# KiCad board LED_Matrix_Phone_Case.kicad_pcb
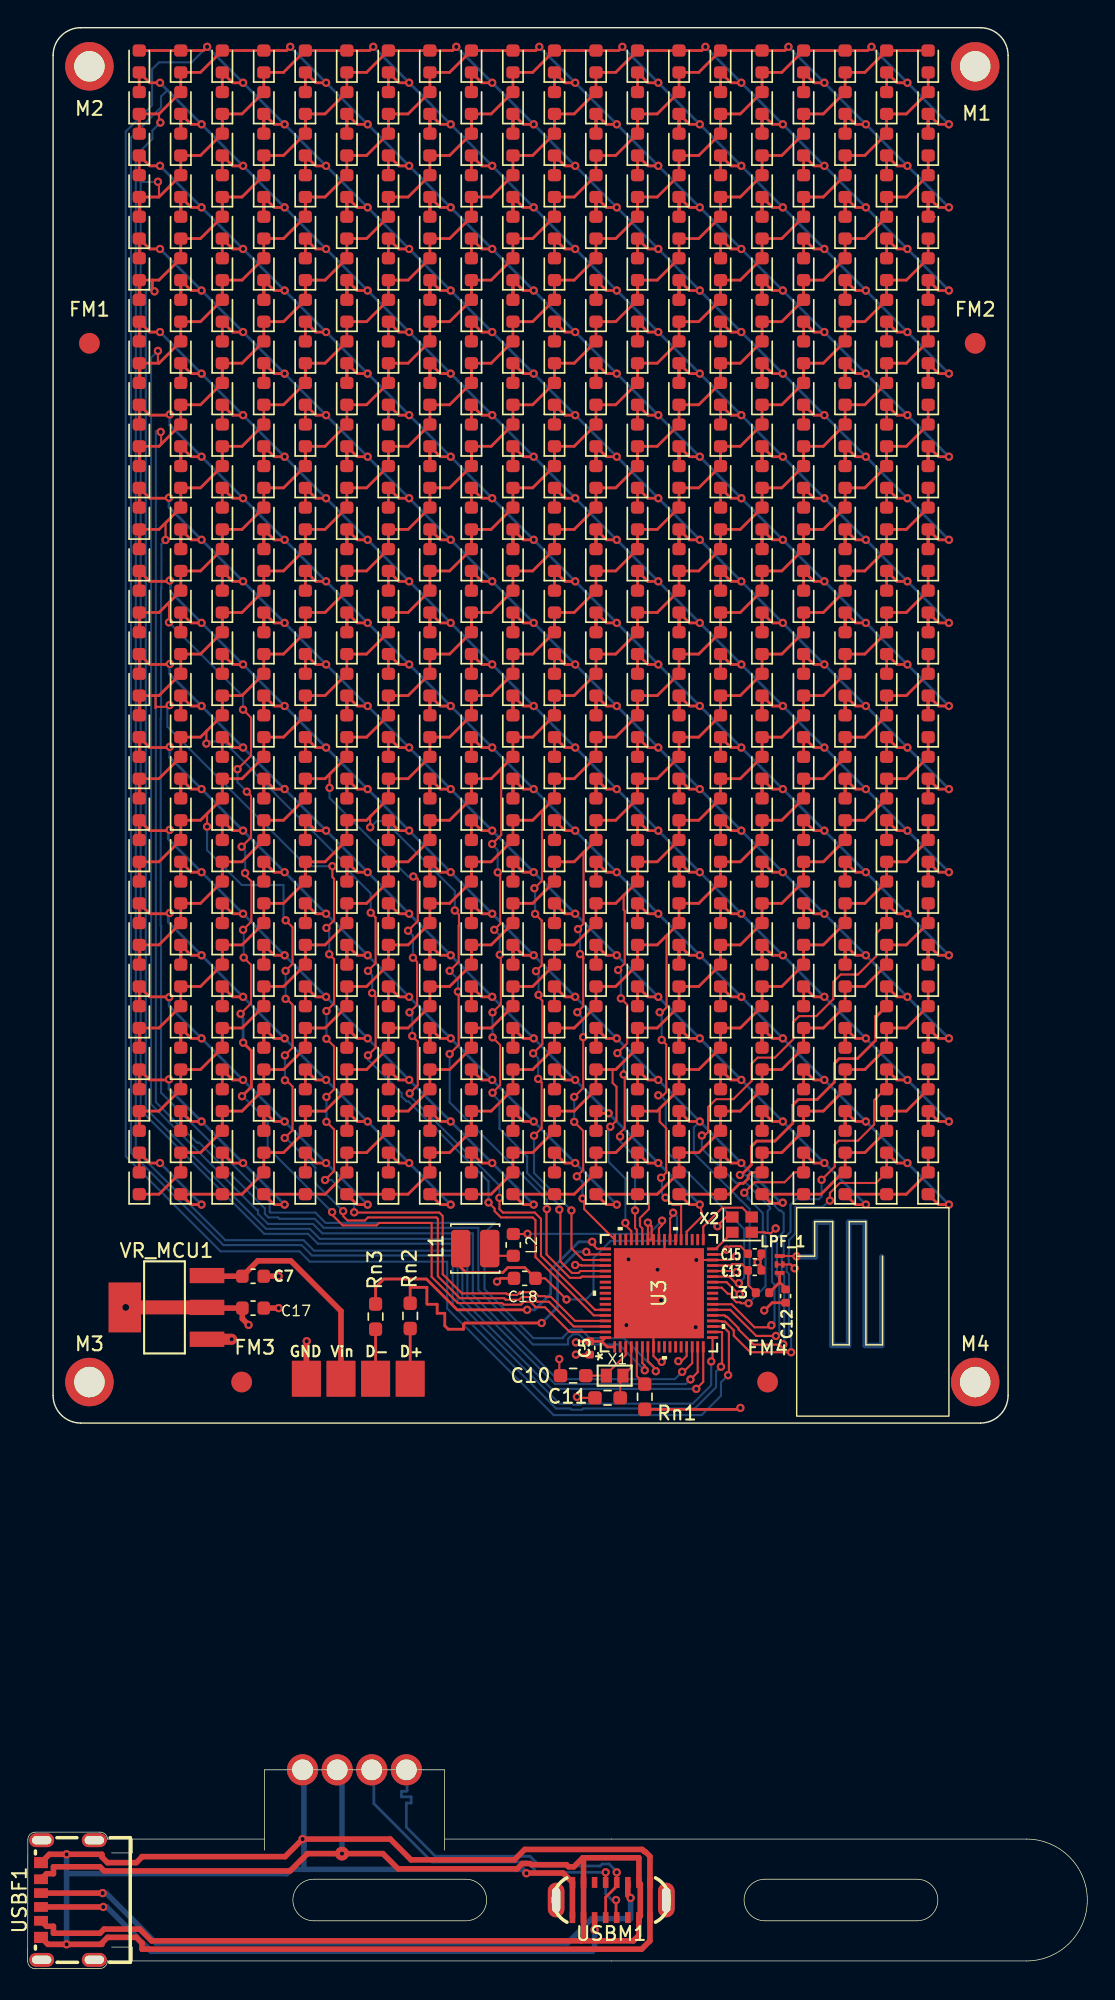
[diagram p0: board, top side]
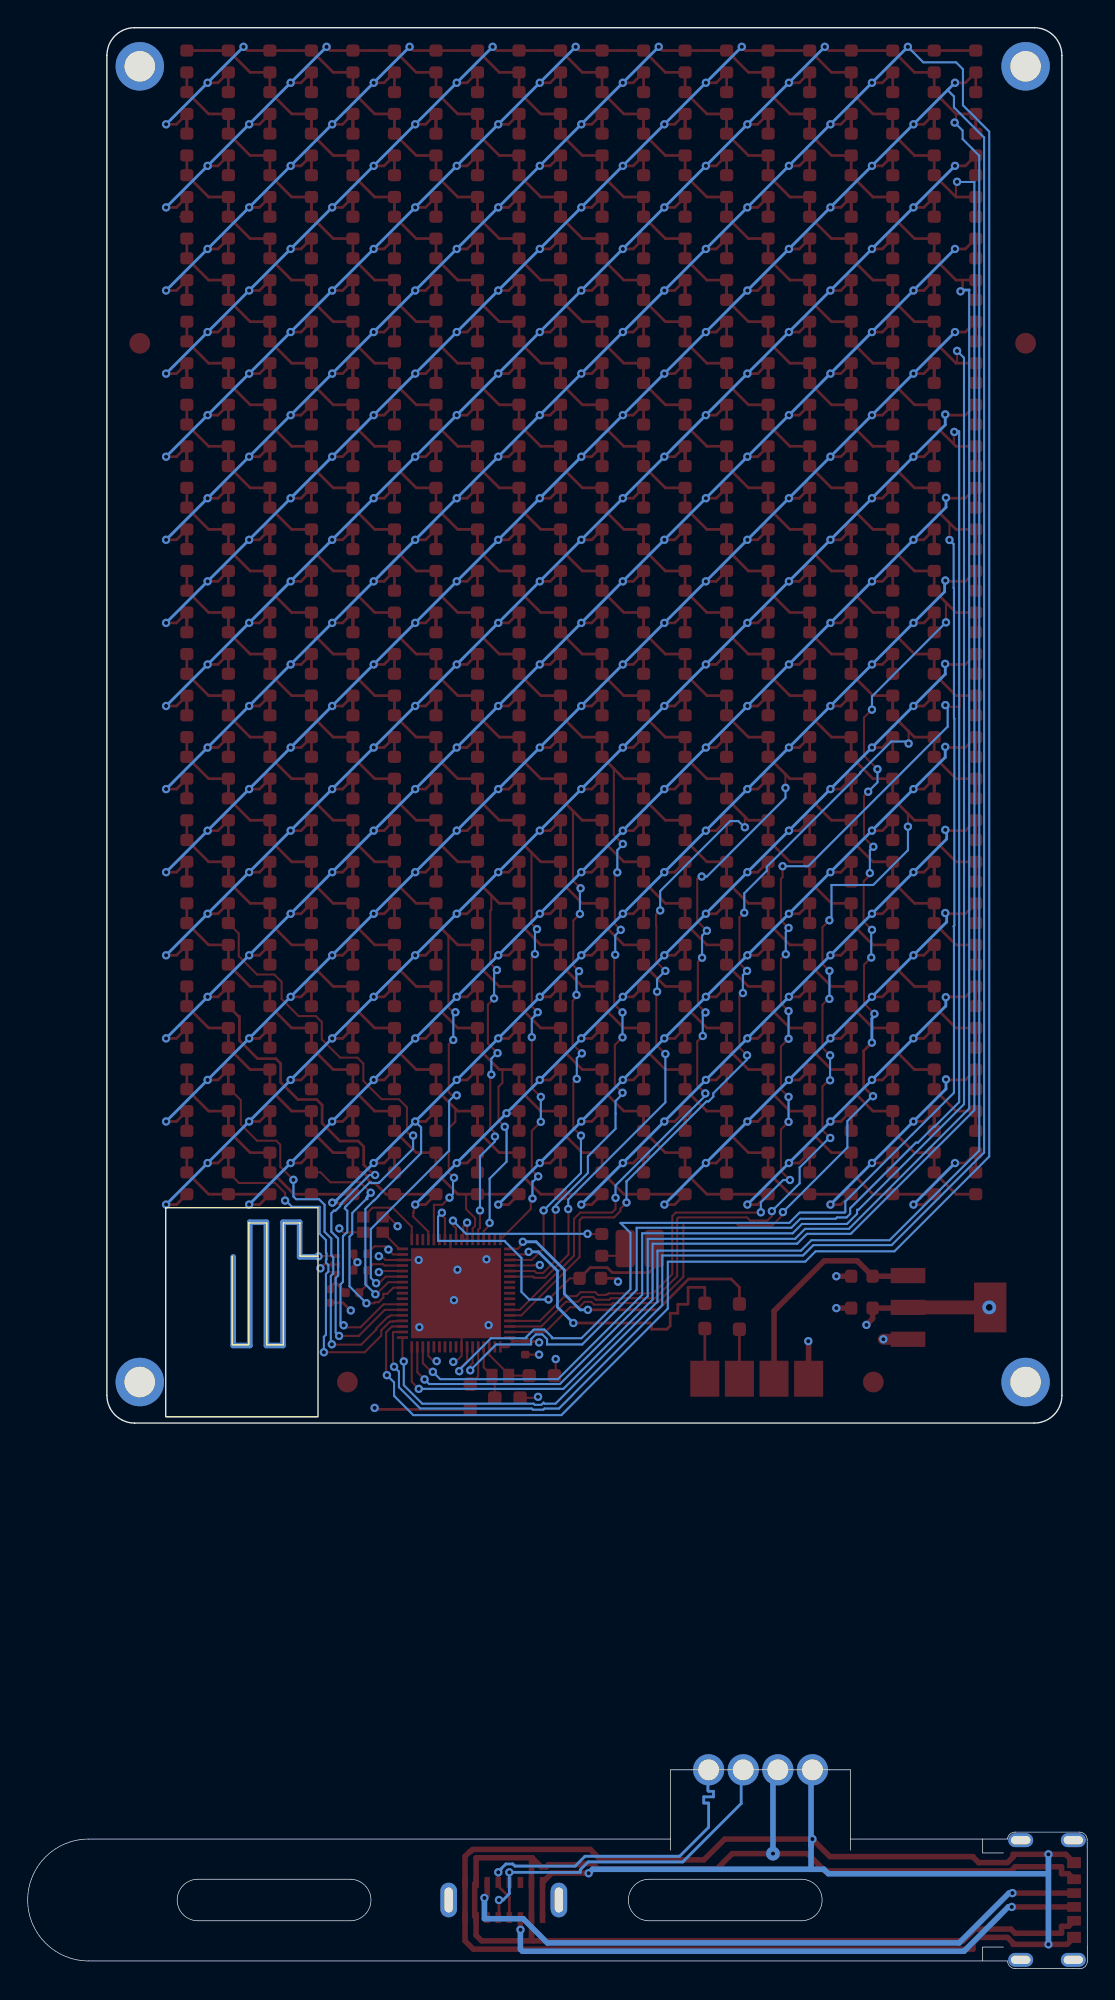
[diagram p1: board, bottom side, seen from below]

Outline 76.56 x 140.15 mm; copper layers: Top, In1.Cu, In2.Cu, Bottom. Coordinates in mm from the lower left corner of the outline.
Outline path: 5.77,9.36 arc(5.59,9.72) 5.22,9.86 0.56,9.86 arc(0.17,9.7) 0.01,9.31 0,0.55 arc(0.16,0.16) 0.55,0 1.01,0.01 5.21,0.01 arc(5.6,0.17) 5.76,0.56 72.16,0.56 arc(76.56,4.96) 72.16,9.36 30.11,9.36 ; 5.76,9.36 7.56,9.36 ; 7.56,9.36 7.56,8.36 6.06,8.36 ; 7.56,9.36 17.11,9.36 ; 17.11,9.36 17.11,14.36 18.61,14.36 ; 17.11,9.36 17.11,8.56 ; 6.06,1.56 7.56,1.56 7.56,0.56 ; 28.61,14.36 30.11,14.36 30.11,9.36 ; 30.11,9.36 30.11,8.56 ; 1.84,138.15 arc(2.42,139.56) 3.84,140.15 68.84,140.15 arc(70.25,139.56) 70.84,138.15 70.84,41.4 arc(70.25,39.98) 68.84,39.4 3.84,39.4 arc(2.42,39.98) 1.84,41.4 1.84,138.15 ; 20.66,3.46 arc(19.16,4.96) 20.66,6.46 31.66,6.46 arc(33.16,4.96) 31.66,3.46 20.66,3.46 ; 53.26,6.46 64.26,6.46 arc(65.76,4.96) 64.26,3.46 53.26,3.46 arc(51.76,4.96) 53.26,6.46
Stack: Top 0.035mm / dielectric 0.1mm FR4 er 4.5 / In1.Cu 0.035mm / dielectric 1.24mm FR4 er 4.5 / In2.Cu 0.035mm / dielectric 0.1mm FR4 er 4.5 / Bottom 0.035mm

## Placement (name value [footprint] x y rotation side)
C5  100nF  [C_0402_1005Metric]  40.61 44.82 270 top
C7  4.7uF  [C_0603_1608Metric]  16.29 50 0 top
C10  0pF  [R_0603_1608Metric_Pad0.98x0.95mm_HandSolder]  39.41 42.82 180 top
C11  0pF  [R_0603_1608Metric_Pad0.98x0.95mm_HandSolder]  41.9 41.22 180 top
C12  0.3pF  [C_0402_1005Metric]  54.76 48.57 270 top
C13  0.8pF  [C_0402_1005Metric]  52.53 50.42 0 top
C15  100nF  [C_0402_1005Metric]  52.53 51.62 180 top
C17  4.7uF  [C_0603_1608Metric]  16.29 47.7 0 top
C18  4.7uF  [C_0603_1608Metric]  35.91 49.85 180 top
FM1  Fiducial  [Fiducial_1.5mm_Mask3mm]  4.46 117.36 0 top
FM2  Fiducial  [Fiducial_1.5mm_Mask3mm]  68.46 117.36 0 top
FM3  Fiducial  [Fiducial_1.5mm_Mask3mm]  15.46 42.36 0 top
FM4  Fiducial  [Fiducial_1.5mm_Mask3mm]  53.46 42.36 0 top
L1  10uH  [L_Cenker_CKCS3015]  32.34 52 180 top
L2  10nH  [L_0603_1608Metric]  35.09 52.26 270 top
L3  2.7nH  [L_0402_1005Metric]  53.1 48.81 0 top
LPF_1  DLF162500LT-5028A1 - Low Pass Filter  [LowPassFilter_DLF-4_1P6X0P8]  54.33 50.85 90 top
M1  MountingHole_Pad  [MountingHole_2.2mm_M2_ISO7380_Pad_TopBottom]  68.46 137.36 0 top
M2  MountingHole_Pad  [MountingHole_2.2mm_M2_ISO7380_Pad_TopBottom]  4.46 137.36 0 top
M3  MountingHole_Pad  [MountingHole_2.2mm_M2_ISO7380_Pad_TopBottom]  4.46 42.36 0 top
M4  MountingHole_Pad  [MountingHole_2.2mm_M2_ISO7380_Pad_TopBottom]  68.46 42.36 0 top
REF**  -  [CASTELLATED_HOLES_4X]  23.61 14.36 0 top
REF**1  -  [D_0603_1608Metric]  8.06 134.71 90 top
REF**2  -  [D_0603_1608Metric]  11.06 134.71 90 top
REF**3  -  [D_0603_1608Metric]  8.06 137.71 90 top
REF**4  -  [D_0603_1608Metric]  11.06 137.71 90 top
REF**5  -  [D_0603_1608Metric]  14.06 134.71 90 top
REF**6  -  [D_0603_1608Metric]  17.06 134.71 90 top
REF**7  -  [D_0603_1608Metric]  14.06 137.71 90 top
REF**8  -  [D_0603_1608Metric]  17.06 137.71 90 top
REF**9  -  [D_0603_1608Metric]  20.06 134.71 90 top
REF**10  -  [D_0603_1608Metric]  23.06 134.71 90 top
REF**11  -  [D_0603_1608Metric]  20.06 137.71 90 top
REF**12  -  [D_0603_1608Metric]  23.06 137.71 90 top
REF**13  -  [D_0603_1608Metric]  26.06 134.71 90 top
REF**14  -  [D_0603_1608Metric]  29.06 134.71 90 top
REF**15  -  [D_0603_1608Metric]  26.06 137.71 90 top
REF**16  -  [D_0603_1608Metric]  29.06 137.71 90 top
REF**17  -  [D_0603_1608Metric]  32.06 134.71 90 top
REF**18  -  [D_0603_1608Metric]  35.06 134.71 90 top
REF**19  -  [D_0603_1608Metric]  32.06 137.71 90 top
REF**20  -  [D_0603_1608Metric]  35.06 137.71 90 top
REF**21  -  [D_0603_1608Metric]  38.06 134.71 90 top
REF**22  -  [D_0603_1608Metric]  41.06 134.71 90 top
REF**23  -  [D_0603_1608Metric]  38.06 137.71 90 top
REF**24  -  [D_0603_1608Metric]  41.06 137.71 90 top
REF**25  -  [D_0603_1608Metric]  44.06 134.71 90 top
REF**26  -  [D_0603_1608Metric]  47.06 134.71 90 top
REF**27  -  [D_0603_1608Metric]  44.06 137.71 90 top
REF**28  -  [D_0603_1608Metric]  47.06 137.71 90 top
REF**29  -  [D_0603_1608Metric]  50.06 134.71 90 top
REF**30  -  [D_0603_1608Metric]  53.06 134.71 90 top
REF**31  -  [D_0603_1608Metric]  50.06 137.71 90 top
REF**32  -  [D_0603_1608Metric]  53.06 137.71 90 top
REF**33  -  [D_0603_1608Metric]  56.06 134.71 90 top
REF**34  -  [D_0603_1608Metric]  59.06 134.71 90 top
REF**35  -  [D_0603_1608Metric]  56.06 137.71 90 top
REF**36  -  [D_0603_1608Metric]  59.06 137.71 90 top
REF**37  -  [D_0603_1608Metric]  62.06 134.71 90 top
REF**38  -  [D_0603_1608Metric]  65.06 134.71 90 top
REF**39  -  [D_0603_1608Metric]  62.06 137.71 90 top
REF**40  -  [D_0603_1608Metric]  65.06 137.71 90 top
REF**41  -  [D_0603_1608Metric]  8.06 128.71 90 top
REF**42  -  [D_0603_1608Metric]  11.06 128.71 90 top
REF**43  -  [D_0603_1608Metric]  8.06 131.71 90 top
REF**44  -  [D_0603_1608Metric]  11.06 131.71 90 top
REF**45  -  [D_0603_1608Metric]  14.06 128.71 90 top
REF**46  -  [D_0603_1608Metric]  17.06 128.71 90 top
REF**47  -  [D_0603_1608Metric]  14.06 131.71 90 top
REF**48  -  [D_0603_1608Metric]  17.06 131.71 90 top
REF**49  -  [D_0603_1608Metric]  20.06 128.71 90 top
REF**50  -  [D_0603_1608Metric]  23.06 128.71 90 top
REF**51  -  [D_0603_1608Metric]  20.06 131.71 90 top
REF**52  -  [D_0603_1608Metric]  23.06 131.71 90 top
REF**53  -  [D_0603_1608Metric]  26.06 128.71 90 top
REF**54  -  [D_0603_1608Metric]  29.06 128.71 90 top
REF**55  -  [D_0603_1608Metric]  26.06 131.71 90 top
REF**56  -  [D_0603_1608Metric]  29.06 131.71 90 top
REF**57  -  [D_0603_1608Metric]  32.06 128.71 90 top
REF**58  -  [D_0603_1608Metric]  35.06 128.71 90 top
REF**59  -  [D_0603_1608Metric]  32.06 131.71 90 top
REF**60  -  [D_0603_1608Metric]  35.06 131.71 90 top
REF**61  -  [D_0603_1608Metric]  38.06 128.71 90 top
REF**62  -  [D_0603_1608Metric]  41.06 128.71 90 top
REF**63  -  [D_0603_1608Metric]  38.06 131.71 90 top
REF**64  -  [D_0603_1608Metric]  41.06 131.71 90 top
REF**65  -  [D_0603_1608Metric]  44.06 128.71 90 top
REF**66  -  [D_0603_1608Metric]  47.06 128.71 90 top
REF**67  -  [D_0603_1608Metric]  44.06 131.71 90 top
REF**68  -  [D_0603_1608Metric]  47.06 131.71 90 top
REF**69  -  [D_0603_1608Metric]  50.06 128.71 90 top
REF**70  -  [D_0603_1608Metric]  53.06 128.71 90 top
REF**71  -  [D_0603_1608Metric]  50.06 131.71 90 top
REF**72  -  [D_0603_1608Metric]  53.06 131.71 90 top
REF**73  -  [D_0603_1608Metric]  56.06 128.71 90 top
REF**74  -  [D_0603_1608Metric]  59.06 128.71 90 top
REF**75  -  [D_0603_1608Metric]  56.06 131.71 90 top
REF**76  -  [D_0603_1608Metric]  59.06 131.71 90 top
REF**77  -  [D_0603_1608Metric]  62.06 128.71 90 top
REF**78  -  [D_0603_1608Metric]  65.06 128.71 90 top
REF**79  -  [D_0603_1608Metric]  62.06 131.71 90 top
REF**80  -  [D_0603_1608Metric]  65.06 131.71 90 top
REF**81  -  [D_0603_1608Metric]  8.06 122.71 90 top
REF**82  -  [D_0603_1608Metric]  11.06 122.71 90 top
REF**83  -  [D_0603_1608Metric]  8.06 125.71 90 top
REF**84  -  [D_0603_1608Metric]  11.06 125.71 90 top
REF**85  -  [D_0603_1608Metric]  14.06 122.71 90 top
REF**86  -  [D_0603_1608Metric]  17.06 122.71 90 top
REF**87  -  [D_0603_1608Metric]  14.06 125.71 90 top
REF**88  -  [D_0603_1608Metric]  17.06 125.71 90 top
REF**89  -  [D_0603_1608Metric]  20.06 122.71 90 top
REF**90  -  [D_0603_1608Metric]  23.06 122.71 90 top
REF**91  -  [D_0603_1608Metric]  20.06 125.71 90 top
REF**92  -  [D_0603_1608Metric]  23.06 125.71 90 top
REF**93  -  [D_0603_1608Metric]  26.06 122.71 90 top
REF**94  -  [D_0603_1608Metric]  29.06 122.71 90 top
REF**95  -  [D_0603_1608Metric]  26.06 125.71 90 top
REF**96  -  [D_0603_1608Metric]  29.06 125.71 90 top
REF**97  -  [D_0603_1608Metric]  32.06 122.71 90 top
REF**98  -  [D_0603_1608Metric]  35.06 122.71 90 top
REF**99  -  [D_0603_1608Metric]  32.06 125.71 90 top
REF**100  -  [D_0603_1608Metric]  35.06 125.71 90 top
REF**101  -  [D_0603_1608Metric]  38.06 122.71 90 top
REF**102  -  [D_0603_1608Metric]  41.06 122.71 90 top
REF**103  -  [D_0603_1608Metric]  38.06 125.71 90 top
REF**104  -  [D_0603_1608Metric]  41.06 125.71 90 top
REF**105  -  [D_0603_1608Metric]  44.06 122.71 90 top
REF**106  -  [D_0603_1608Metric]  47.06 122.71 90 top
REF**107  -  [D_0603_1608Metric]  44.06 125.71 90 top
REF**108  -  [D_0603_1608Metric]  47.06 125.71 90 top
REF**109  -  [D_0603_1608Metric]  50.06 122.71 90 top
REF**110  -  [D_0603_1608Metric]  53.06 122.71 90 top
REF**111  -  [D_0603_1608Metric]  50.06 125.71 90 top
REF**112  -  [D_0603_1608Metric]  53.06 125.71 90 top
REF**113  -  [D_0603_1608Metric]  56.06 122.71 90 top
REF**114  -  [D_0603_1608Metric]  59.06 122.71 90 top
REF**115  -  [D_0603_1608Metric]  56.06 125.71 90 top
REF**116  -  [D_0603_1608Metric]  59.06 125.71 90 top
REF**117  -  [D_0603_1608Metric]  62.06 122.71 90 top
REF**118  -  [D_0603_1608Metric]  65.06 122.71 90 top
REF**119  -  [D_0603_1608Metric]  62.06 125.71 90 top
REF**120  -  [D_0603_1608Metric]  65.06 125.71 90 top
REF**121  -  [D_0603_1608Metric]  8.06 116.71 90 top
REF**122  -  [D_0603_1608Metric]  11.06 116.71 90 top
REF**123  -  [D_0603_1608Metric]  8.06 119.71 90 top
REF**124  -  [D_0603_1608Metric]  11.06 119.71 90 top
REF**125  -  [D_0603_1608Metric]  14.06 116.71 90 top
REF**126  -  [D_0603_1608Metric]  17.06 116.71 90 top
REF**127  -  [D_0603_1608Metric]  14.06 119.71 90 top
REF**128  -  [D_0603_1608Metric]  17.06 119.71 90 top
REF**129  -  [D_0603_1608Metric]  20.06 116.71 90 top
REF**130  -  [D_0603_1608Metric]  23.06 116.71 90 top
REF**131  -  [D_0603_1608Metric]  20.06 119.71 90 top
REF**132  -  [D_0603_1608Metric]  23.06 119.71 90 top
REF**133  -  [D_0603_1608Metric]  26.06 116.71 90 top
REF**134  -  [D_0603_1608Metric]  29.06 116.71 90 top
REF**135  -  [D_0603_1608Metric]  26.06 119.71 90 top
REF**136  -  [D_0603_1608Metric]  29.06 119.71 90 top
REF**137  -  [D_0603_1608Metric]  32.06 116.71 90 top
REF**138  -  [D_0603_1608Metric]  35.06 116.71 90 top
REF**139  -  [D_0603_1608Metric]  32.06 119.71 90 top
REF**140  -  [D_0603_1608Metric]  35.06 119.71 90 top
REF**141  -  [D_0603_1608Metric]  38.06 116.71 90 top
REF**142  -  [D_0603_1608Metric]  41.06 116.71 90 top
REF**143  -  [D_0603_1608Metric]  38.06 119.71 90 top
REF**144  -  [D_0603_1608Metric]  41.06 119.71 90 top
REF**145  -  [D_0603_1608Metric]  44.06 116.71 90 top
REF**146  -  [D_0603_1608Metric]  47.06 116.71 90 top
REF**147  -  [D_0603_1608Metric]  44.06 119.71 90 top
REF**148  -  [D_0603_1608Metric]  47.06 119.71 90 top
REF**149  -  [D_0603_1608Metric]  50.06 116.71 90 top
REF**150  -  [D_0603_1608Metric]  53.06 116.71 90 top
REF**151  -  [D_0603_1608Metric]  50.06 119.71 90 top
REF**152  -  [D_0603_1608Metric]  53.06 119.71 90 top
REF**153  -  [D_0603_1608Metric]  56.06 116.71 90 top
REF**154  -  [D_0603_1608Metric]  59.06 116.71 90 top
REF**155  -  [D_0603_1608Metric]  56.06 119.71 90 top
REF**156  -  [D_0603_1608Metric]  59.06 119.71 90 top
REF**157  -  [D_0603_1608Metric]  62.06 116.71 90 top
REF**158  -  [D_0603_1608Metric]  65.06 116.71 90 top
REF**159  -  [D_0603_1608Metric]  62.06 119.71 90 top
REF**160  -  [D_0603_1608Metric]  65.06 119.71 90 top
REF**161  -  [D_0603_1608Metric]  8.06 110.71 90 top
REF**162  -  [D_0603_1608Metric]  11.06 110.71 90 top
REF**163  -  [D_0603_1608Metric]  8.06 113.71 90 top
REF**164  -  [D_0603_1608Metric]  11.06 113.71 90 top
REF**165  -  [D_0603_1608Metric]  14.06 110.71 90 top
REF**166  -  [D_0603_1608Metric]  17.06 110.71 90 top
REF**167  -  [D_0603_1608Metric]  14.06 113.71 90 top
REF**168  -  [D_0603_1608Metric]  17.06 113.71 90 top
REF**169  -  [D_0603_1608Metric]  20.06 110.71 90 top
REF**170  -  [D_0603_1608Metric]  23.06 110.71 90 top
REF**171  -  [D_0603_1608Metric]  20.06 113.71 90 top
REF**172  -  [D_0603_1608Metric]  23.06 113.71 90 top
REF**173  -  [D_0603_1608Metric]  26.06 110.71 90 top
REF**174  -  [D_0603_1608Metric]  29.06 110.71 90 top
REF**175  -  [D_0603_1608Metric]  26.06 113.71 90 top
REF**176  -  [D_0603_1608Metric]  29.06 113.71 90 top
REF**177  -  [D_0603_1608Metric]  32.06 110.71 90 top
REF**178  -  [D_0603_1608Metric]  35.06 110.71 90 top
REF**179  -  [D_0603_1608Metric]  32.06 113.71 90 top
REF**180  -  [D_0603_1608Metric]  35.06 113.71 90 top
REF**181  -  [D_0603_1608Metric]  38.06 110.71 90 top
REF**182  -  [D_0603_1608Metric]  41.06 110.71 90 top
REF**183  -  [D_0603_1608Metric]  38.06 113.71 90 top
REF**184  -  [D_0603_1608Metric]  41.06 113.71 90 top
REF**185  -  [D_0603_1608Metric]  44.06 110.71 90 top
REF**186  -  [D_0603_1608Metric]  47.06 110.71 90 top
REF**187  -  [D_0603_1608Metric]  44.06 113.71 90 top
REF**188  -  [D_0603_1608Metric]  47.06 113.71 90 top
REF**189  -  [D_0603_1608Metric]  50.06 110.71 90 top
REF**190  -  [D_0603_1608Metric]  53.06 110.71 90 top
REF**191  -  [D_0603_1608Metric]  50.06 113.71 90 top
REF**192  -  [D_0603_1608Metric]  53.06 113.71 90 top
REF**193  -  [D_0603_1608Metric]  56.06 110.71 90 top
REF**194  -  [D_0603_1608Metric]  59.06 110.71 90 top
REF**195  -  [D_0603_1608Metric]  56.06 113.71 90 top
REF**196  -  [D_0603_1608Metric]  59.06 113.71 90 top
REF**197  -  [D_0603_1608Metric]  62.06 110.71 90 top
REF**198  -  [D_0603_1608Metric]  65.06 110.71 90 top
REF**199  -  [D_0603_1608Metric]  62.06 113.71 90 top
REF**200  -  [D_0603_1608Metric]  65.06 113.71 90 top
REF**201  -  [D_0603_1608Metric]  8.06 104.71 90 top
REF**202  -  [D_0603_1608Metric]  11.06 104.71 90 top
REF**203  -  [D_0603_1608Metric]  8.06 107.71 90 top
REF**204  -  [D_0603_1608Metric]  11.06 107.71 90 top
REF**205  -  [D_0603_1608Metric]  14.06 104.71 90 top
REF**206  -  [D_0603_1608Metric]  17.06 104.71 90 top
REF**207  -  [D_0603_1608Metric]  14.06 107.71 90 top
REF**208  -  [D_0603_1608Metric]  17.06 107.71 90 top
REF**209  -  [D_0603_1608Metric]  20.06 104.71 90 top
REF**210  -  [D_0603_1608Metric]  23.06 104.71 90 top
REF**211  -  [D_0603_1608Metric]  20.06 107.71 90 top
REF**212  -  [D_0603_1608Metric]  23.06 107.71 90 top
REF**213  -  [D_0603_1608Metric]  26.06 104.71 90 top
REF**214  -  [D_0603_1608Metric]  29.06 104.71 90 top
REF**215  -  [D_0603_1608Metric]  26.06 107.71 90 top
REF**216  -  [D_0603_1608Metric]  29.06 107.71 90 top
REF**217  -  [D_0603_1608Metric]  32.06 104.71 90 top
REF**218  -  [D_0603_1608Metric]  35.06 104.71 90 top
REF**219  -  [D_0603_1608Metric]  32.06 107.71 90 top
REF**220  -  [D_0603_1608Metric]  35.06 107.71 90 top
REF**221  -  [D_0603_1608Metric]  38.06 104.71 90 top
REF**222  -  [D_0603_1608Metric]  41.06 104.71 90 top
REF**223  -  [D_0603_1608Metric]  38.06 107.71 90 top
REF**224  -  [D_0603_1608Metric]  41.06 107.71 90 top
REF**225  -  [D_0603_1608Metric]  44.06 104.71 90 top
REF**226  -  [D_0603_1608Metric]  47.06 104.71 90 top
REF**227  -  [D_0603_1608Metric]  44.06 107.71 90 top
REF**228  -  [D_0603_1608Metric]  47.06 107.71 90 top
REF**229  -  [D_0603_1608Metric]  50.06 104.71 90 top
REF**230  -  [D_0603_1608Metric]  53.06 104.71 90 top
REF**231  -  [D_0603_1608Metric]  50.06 107.71 90 top
REF**232  -  [D_0603_1608Metric]  53.06 107.71 90 top
REF**233  -  [D_0603_1608Metric]  56.06 104.71 90 top
REF**234  -  [D_0603_1608Metric]  59.06 104.71 90 top
REF**235  -  [D_0603_1608Metric]  56.06 107.71 90 top
REF**236  -  [D_0603_1608Metric]  59.06 107.71 90 top
REF**237  -  [D_0603_1608Metric]  62.06 104.71 90 top
REF**238  -  [D_0603_1608Metric]  65.06 104.71 90 top
REF**239  -  [D_0603_1608Metric]  62.06 107.71 90 top
REF**240  -  [D_0603_1608Metric]  65.06 107.71 90 top
REF**241  -  [D_0603_1608Metric]  8.06 98.71 90 top
REF**242  -  [D_0603_1608Metric]  11.06 98.71 90 top
REF**243  -  [D_0603_1608Metric]  8.06 101.71 90 top
REF**244  -  [D_0603_1608Metric]  11.06 101.71 90 top
REF**245  -  [D_0603_1608Metric]  14.06 98.71 90 top
REF**246  -  [D_0603_1608Metric]  17.06 98.71 90 top
REF**247  -  [D_0603_1608Metric]  14.06 101.71 90 top
REF**248  -  [D_0603_1608Metric]  17.06 101.71 90 top
REF**249  -  [D_0603_1608Metric]  20.06 98.71 90 top
REF**250  -  [D_0603_1608Metric]  23.06 98.71 90 top
REF**251  -  [D_0603_1608Metric]  20.06 101.71 90 top
REF**252  -  [D_0603_1608Metric]  23.06 101.71 90 top
REF**253  -  [D_0603_1608Metric]  26.06 98.71 90 top
REF**254  -  [D_0603_1608Metric]  29.06 98.71 90 top
REF**255  -  [D_0603_1608Metric]  26.06 101.71 90 top
REF**256  -  [D_0603_1608Metric]  29.06 101.71 90 top
REF**257  -  [D_0603_1608Metric]  32.06 98.71 90 top
REF**258  -  [D_0603_1608Metric]  35.06 98.71 90 top
REF**259  -  [D_0603_1608Metric]  32.06 101.71 90 top
REF**260  -  [D_0603_1608Metric]  35.06 101.71 90 top
REF**261  -  [D_0603_1608Metric]  38.06 98.71 90 top
REF**262  -  [D_0603_1608Metric]  41.06 98.71 90 top
REF**263  -  [D_0603_1608Metric]  38.06 101.71 90 top
REF**264  -  [D_0603_1608Metric]  41.06 101.71 90 top
REF**265  -  [D_0603_1608Metric]  44.06 98.71 90 top
REF**266  -  [D_0603_1608Metric]  47.06 98.71 90 top
REF**267  -  [D_0603_1608Metric]  44.06 101.71 90 top
REF**268  -  [D_0603_1608Metric]  47.06 101.71 90 top
REF**269  -  [D_0603_1608Metric]  50.06 98.71 90 top
REF**270  -  [D_0603_1608Metric]  53.06 98.71 90 top
REF**271  -  [D_0603_1608Metric]  50.06 101.71 90 top
REF**272  -  [D_0603_1608Metric]  53.06 101.71 90 top
REF**273  -  [D_0603_1608Metric]  56.06 98.71 90 top
REF**274  -  [D_0603_1608Metric]  59.06 98.71 90 top
REF**275  -  [D_0603_1608Metric]  56.06 101.71 90 top
REF**276  -  [D_0603_1608Metric]  59.06 101.71 90 top
REF**277  -  [D_0603_1608Metric]  62.06 98.71 90 top
REF**278  -  [D_0603_1608Metric]  65.06 98.71 90 top
REF**279  -  [D_0603_1608Metric]  62.06 101.71 90 top
REF**280  -  [D_0603_1608Metric]  65.06 101.71 90 top
REF**281  -  [D_0603_1608Metric]  8.06 92.71 90 top
REF**282  -  [D_0603_1608Metric]  11.06 92.71 90 top
REF**283  -  [D_0603_1608Metric]  8.06 95.71 90 top
REF**284  -  [D_0603_1608Metric]  11.06 95.71 90 top
REF**285  -  [D_0603_1608Metric]  14.06 92.71 90 top
REF**286  -  [D_0603_1608Metric]  17.06 92.71 90 top
REF**287  -  [D_0603_1608Metric]  14.06 95.71 90 top
REF**288  -  [D_0603_1608Metric]  17.06 95.71 90 top
REF**289  -  [D_0603_1608Metric]  20.06 92.71 90 top
REF**290  -  [D_0603_1608Metric]  23.06 92.71 90 top
REF**291  -  [D_0603_1608Metric]  20.06 95.71 90 top
REF**292  -  [D_0603_1608Metric]  23.06 95.71 90 top
REF**293  -  [D_0603_1608Metric]  26.06 92.71 90 top
REF**294  -  [D_0603_1608Metric]  29.06 92.71 90 top
REF**295  -  [D_0603_1608Metric]  26.06 95.71 90 top
REF**296  -  [D_0603_1608Metric]  29.06 95.71 90 top
REF**297  -  [D_0603_1608Metric]  32.06 92.71 90 top
REF**298  -  [D_0603_1608Metric]  35.06 92.71 90 top
REF**299  -  [D_0603_1608Metric]  32.06 95.71 90 top
REF**300  -  [D_0603_1608Metric]  35.06 95.71 90 top
REF**301  -  [D_0603_1608Metric]  38.06 92.71 90 top
REF**302  -  [D_0603_1608Metric]  41.06 92.71 90 top
REF**303  -  [D_0603_1608Metric]  38.06 95.71 90 top
REF**304  -  [D_0603_1608Metric]  41.06 95.71 90 top
REF**305  -  [D_0603_1608Metric]  44.06 92.71 90 top
REF**306  -  [D_0603_1608Metric]  47.06 92.71 90 top
REF**307  -  [D_0603_1608Metric]  44.06 95.71 90 top
REF**308  -  [D_0603_1608Metric]  47.06 95.71 90 top
REF**309  -  [D_0603_1608Metric]  50.06 92.71 90 top
REF**310  -  [D_0603_1608Metric]  53.06 92.71 90 top
REF**311  -  [D_0603_1608Metric]  50.06 95.71 90 top
REF**312  -  [D_0603_1608Metric]  53.06 95.71 90 top
REF**313  -  [D_0603_1608Metric]  56.06 92.71 90 top
REF**314  -  [D_0603_1608Metric]  59.06 92.71 90 top
REF**315  -  [D_0603_1608Metric]  56.06 95.71 90 top
REF**316  -  [D_0603_1608Metric]  59.06 95.71 90 top
REF**317  -  [D_0603_1608Metric]  62.06 92.71 90 top
REF**318  -  [D_0603_1608Metric]  65.06 92.71 90 top
REF**319  -  [D_0603_1608Metric]  62.06 95.71 90 top
REF**320  -  [D_0603_1608Metric]  65.06 95.71 90 top
REF**321  -  [D_0603_1608Metric]  8.06 86.71 90 top
REF**322  -  [D_0603_1608Metric]  11.06 86.71 90 top
REF**323  -  [D_0603_1608Metric]  8.06 89.71 90 top
REF**324  -  [D_0603_1608Metric]  11.06 89.71 90 top
REF**325  -  [D_0603_1608Metric]  14.06 86.71 90 top
REF**326  -  [D_0603_1608Metric]  17.06 86.71 90 top
REF**327  -  [D_0603_1608Metric]  14.06 89.71 90 top
REF**328  -  [D_0603_1608Metric]  17.06 89.71 90 top
REF**329  -  [D_0603_1608Metric]  20.06 86.71 90 top
REF**330  -  [D_0603_1608Metric]  23.06 86.71 90 top
REF**331  -  [D_0603_1608Metric]  20.06 89.71 90 top
REF**332  -  [D_0603_1608Metric]  23.06 89.71 90 top